# Altium PCB main_io.PcbDoc (part 1 of 3) (continued)
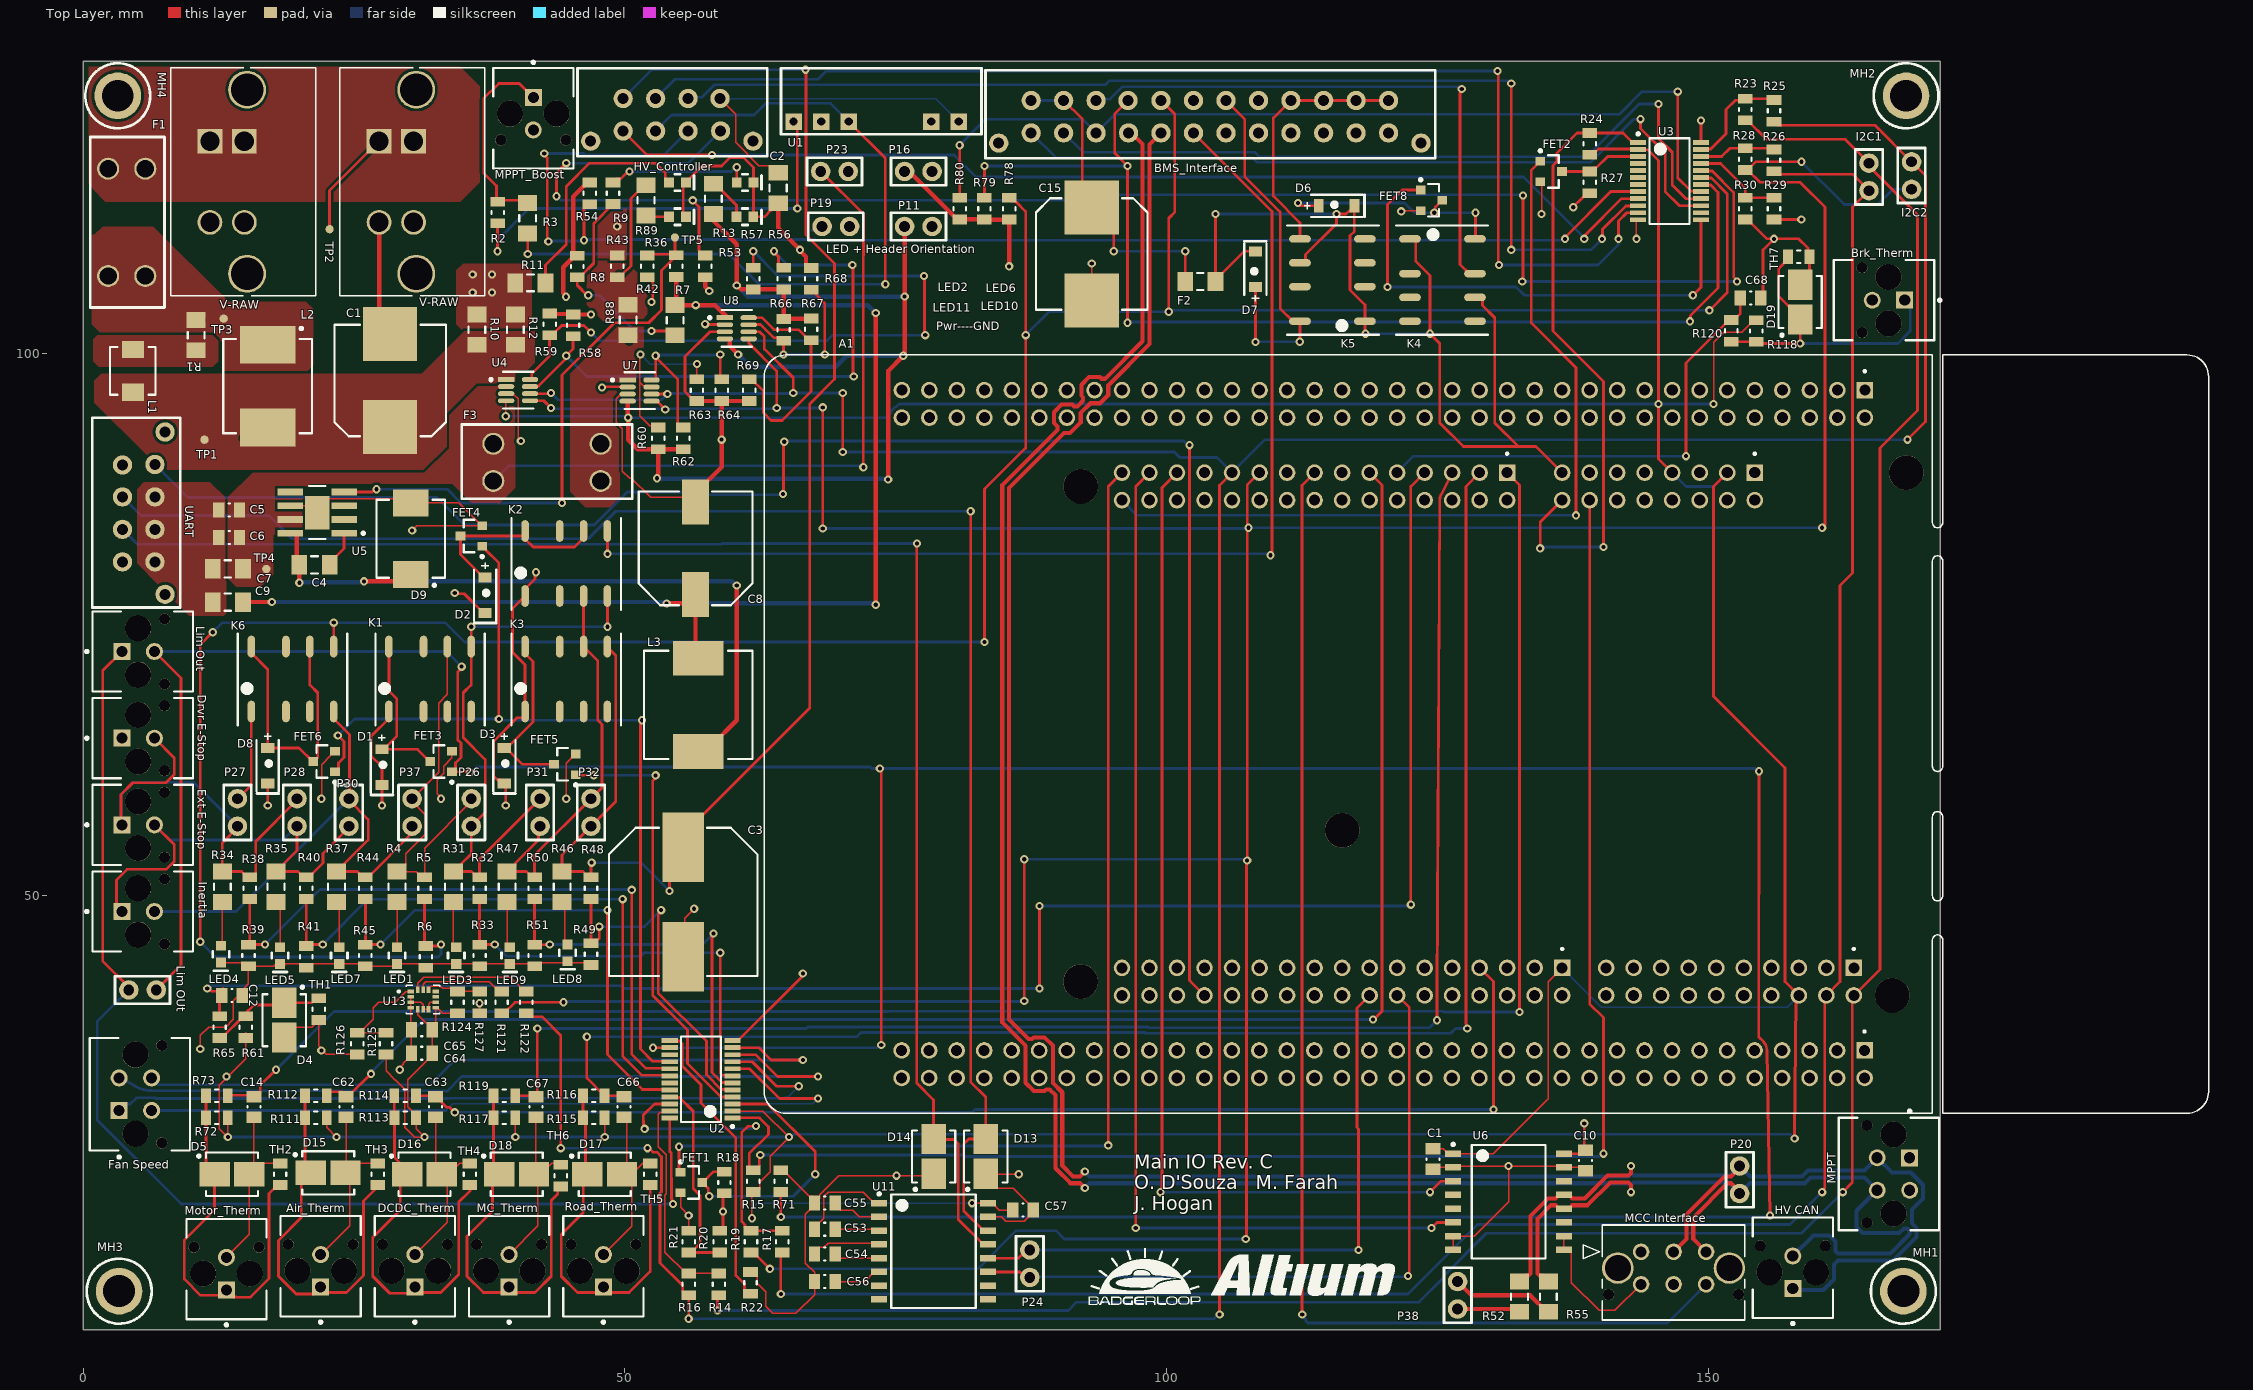
[diagram p0: Top Layer view]
## Part data (continued)
C1 C10 C12 C14 C55 C56 C57 C62 C63 C66 C67 C68: library part VJ0805Y104KXXCW1BC, "CAP CER 0.1UF 25V X7R 0805", Capacitance=100nF, Capacitor Type=Ceramic, Manufacturer=Vishay, Manufacturer Series=VJ, Max Operating Temperature=125°C, Min Operating Temperature=-55°C, Negative Tolerance=10%, Package Shape=Rectangular, Rated DC Voltage (URdc)=25V, Supplier Part Number 1=720-1537-1-ND, Temperature Characteristics Code=X7R, Category="Ceramic Capacitors", ComponentLink1Description=https://datasheet.ciiva.com:443/pdfs/VipMasterIC/IC/BEYS/BEYSS01735/BEYSS01735-1.pdf?src-supplier=IHS+Markit, ComponentLink1URL=https://datasheet.ciiva.com:443/pdfs/VipMasterIC/IC/BEYS/BEYSS01735/BEYSS01735-1.pdf?src-supplier=IHS+Markit, ComponentLink2Description=https://datasheet.ciiva.com/176/vjw1bcbascomseries-176875.pdf?src-supplier=Digi-Key, ComponentLink2URL=https://datasheet.ciiva.com/176/vjw1bcbascomseries-176875.pdf?src-supplier=Digi-Key, ComponentLink3Description=https://datasheet.ciiva.com/11491/vjw1bcbascomseries-11491758.pdf?src-supplier=Avnet, ComponentLink3URL=https://datasheet.ciiva.com/11491/vjw1bcbascomseries-11491758.pdf?src-supplier=Avnet, Dielectric Material=Ceramic, JESD-609 Code=e3, Manufacturer Part Number=VJ0805Y104KXXCW1BC, Mount="Surface Mount", Multilayer=Yes, Number of Pins=2, Packaging="Tape and Reel", Positive Tolerance=10%, Pricing 1="1=0.25000, 10=0.17100, 50=0.11380, 100=0.09680, 500=0.06832, 1000=0.05978 (USD)", REACH SVHC=Yes, RoHS=Yes, RoHS Compliant=Yes, Size Code=0805, Stock 1=38794, Supplier 1=Digi-Key, Terminal Finish=Tin, Termination=Wraparound
C2: library part CMP-001-00249-1, "CAP CER 10UF 25V X7S 1206", Digi-Key Part Number=490-12661-1-ND, Manufacturer="Murata Electronics North America", Operating Temperature="-55°C ~ 125°C", Package / Case="1206 (3216 Metric)", Ratings=AEC-Q200, Temperature Coefficient=X7S, Tolerance=10%, Voltage=25V, @ qty=0, Applications=Automotive, Datasheets=http://www.murata.com/~/media/webrenewal/support/library/catalog/products/capacitor/mlcc/c03e.ashx, Design Item ID=GCM31CC71E106KA03L, Factory Stock=0, Features=-, Height - Seated (Max)=-, Image=//media.digikey.com/Renders/Murata%20Renders/GR331BD72E473KW01L.jpg, Lead Spacing=-, Lead Style=-, Minimum Quantity=1, Mounting Type="Surface Mount, MLCC", Packaging="Cut Tape (CT)", Part Number=GCM31CC71E106KA03L, Part Status=Active, Quantity Available=936, Series=GCM, Size / Dimension="0.126\" L x 0.063\" W (3.20mm x 1.60mm)", Source=capacitors.SchLib, Thickness (Max)="0.075\" (1.90mm)", Unit Price (USD)=0.81
C3: "Aluminum Electrolytic Capacitor, Aluminum (wet)", Capacitor Type=Aluminium, Manufacturer="Wurth Electronics", Supplier Part Number 1=710-865080462016, Category="Aluminum Electrolytic Capacitors", ComponentLink1Description=https://datasheet.ciiva.com:443/pdfs/VipMasterIC/IC/MIDC/MIDC-S-A0000770377/MIDC-S-A0000770375-1.pdf?src-supplier=IHS+Markit, ComponentLink1URL=https://datasheet.ciiva.com:443/pdfs/VipMasterIC/IC/MIDC/MIDC-S-A0000770377/MIDC-S-A0000770375-1.pdf?src-supplier=IHS+Markit, ComponentLink2Description=http://www.farnell.com/datasheets/1880151.pdf?src-supplier=Farnell, ComponentLink2URL=http://www.farnell.com/datasheets/1880151.pdf?src-supplier=Farnell, ComponentLink3Description=http://katalog.we-online.de/pbs/datasheet/865080462016.pdf?src-supplier=Digi-Key, ComponentLink3URL=http://katalog.we-online.de/pbs/datasheet/865080462016.pdf?src-supplier=Digi-Key, ComponentLink4Description=http://www.farnell.com/datasheets/1880151.pdf?src-supplier=Element14, ComponentLink4URL=http://www.farnell.com/datasheets/1880151.pdf?src-supplier=Element14, Dielectric Material=Aluminium, Manufacturer Part Number=865080462016, Number of Pins=2, Pricing 1="1=1.84000, 10=1.84000, 50=1.57000, 100=1.37000, 200=1.21000, 1000=1.21000, 10000=1.21000 (USD)", REACH SVHC=Yes, RoHS=Yes, RoHS Compliant=Yes, Stock 1=408, Supplier 1=Mouser
C4 C7 C9: library part GRM3195C1H103JA01D, "CAP CER 10000PF 50V NP0 1206", Digi-Key Part Number=490-1754-1-ND, Manufacturer="Murata Electronics North America", Operating Temperature="-55°C ~ 125°C", Package / Case="1206 (3216 Metric)", Ratings=-, Temperature Coefficient="C0G, NP0", Tolerance=±5%, Voltage=50V, @ qty=0, Applications="General Purpose", Datasheets=http://www.murata.com/~/media/webrenewal/support/library/catalog/products/capacitor/mlcc/c02e.pdf, Factory Stock=0, Features=-, Height - Seated (Max)=-, Image=//media.digikey.com/Renders/Murata%20Renders/GR331BD72E473KW01L.jpg, Lead Spacing=-, Lead Style=-, Minimum Quantity=1, Mounting Type="Surface Mount, MLCC", Packaging="Cut Tape (CT)", Part Number=GRM3195C1H103JA01D, Part Status=Active, Quantity Available=32411, Series=GRM, Size / Dimension="0.126\" L x 0.063\" W (3.20mm x 1.60mm)", Thickness (Max)="0.037\" (0.95mm)", Unit Price (USD)=0.29
C5 C6: library part GCJ21BR71C475KA01L, "CAP CER 4.7UF 16V X7R 0805", Digi-Key Part Number=490-10557-1-ND, Manufacturer="Murata Electronics North America", Operating Temperature="-55°C ~ 125°C", Package / Case="0805 (2012 Metric)", Ratings=AEC-Q200, Temperature Coefficient=X7R, Tolerance=±10%, Voltage=16V, @ qty=0, Applications="Automotive, Boardflex Sensitive", Datasheets=http://www.murata.com/~/media/webrenewal/support/library/catalog/products/capacitor/mlcc/c03e.ashx, Factory Stock=0, Features="Soft Termination", Height - Seated (Max)=-, Image=//media.digikey.com/Renders/Murata%20Renders/0805%20(2012%20Metric)%20.85mm.jpg, Lead Spacing=-, Lead Style=-, Minimum Quantity=1, Mounting Type="Surface Mount, MLCC", Packaging="Cut Tape (CT)", Part Number=GCJ21BR71C475KA01L, Part Status=Active, Quantity Available=53217, Series=GCJ, Size / Dimension="0.079\" L x 0.049\" W (2.00mm x 1.25mm)", Thickness (Max)="0.057\" (1.45mm)", Unit Price (USD)=0.44
C8: library part CMP-001-00090-1, "Aluminum Organic Polymer Capacitors 25V 330uf", ComponentLink1Description=Link, ComponentLink1URL=https://www.mouser.com/ProductDetail/Nichicon/GYB1E331MCW1GS?qs=sGAEpiMZZMvwFf0viD3Y3a3yb5D6sPUgteTcG6zlWVz7Qxll6G9Nxw%3D%3D, Design Item ID=GYB1E331MCW1GS, Source=capacitors.SchLib
C53 C54: library part GRM219R71C104JA01D, "CAP CER 0.1UF 16V X7R 0805", Digi-Key Part Number=490-12557-1-ND, Manufacturer="Murata Electronics North America", Operating Temperature="-55°C ~ 125°C", Package / Case="0805 (2012 Metric)", Ratings=-, Temperature Coefficient=X7R, Tolerance=±5%, Voltage=16V, @ qty=0, Applications="General Purpose", Datasheets=-, Factory Stock=0, Features=-, Height - Seated (Max)=-, Image=//media.digikey.com/Renders/Murata%20Renders/0805%20(2012%20Metric)%20.85mm.jpg, Lead Spacing=-, Lead Style=-, Minimum Quantity=1, Mounting Type="Surface Mount, MLCC", Packaging="Cut Tape (CT)", Part Number=GRM219R71C104JA01D, Part Status=Active, Quantity Available=6635, Series=GRM, Size / Dimension="0.079\" L x 0.049\" W (2.00mm x 1.25mm)", Thickness (Max)="0.037\" (0.95mm)", Unit Price (USD)=0.12
C64 C65: library part 160R15W104KV4T, "CAP CER 0.1UF 16V X7R 0805", Capacitance=100nF, Capacitor Type=Ceramic, Manufacturer=Johanson, Manufacturer Series=R15, Max Operating Temperature=125°C, Min Operating Temperature=-55°C, Negative Tolerance=10%, Package Shape=Rectangular, Package Style=SMTMeter, Rated DC Voltage (URdc)=16V, Supplier Part Number 1=709-1183-1-ND, Temperature Characteristics Code=X7R, Category="Ceramic Capacitors", ComponentLink1Description=https://datasheet.ciiva.com:443/pdfs/VipMasterIC/IC/JOHA/JOHA-S-A0008490164/JOHA-S-A0008490164-1.pdf?src-supplier=IHS+Markit, ComponentLink1URL=https://datasheet.ciiva.com:443/pdfs/VipMasterIC/IC/JOHA/JOHA-S-A0008490164/JOHA-S-A0008490164-1.pdf?src-supplier=IHS+Markit, ComponentLink2Description=http://www.mouser.com/ds/2/611/JDI-Tanceram-516226.pdf?src-supplier=Mouser, ComponentLink2URL=http://www.mouser.com/ds/2/611/JDI-Tanceram-516226.pdf?src-supplier=Mouser, ComponentLink3Description=https://www.johansondielectrics.com/downloads/jdi-product-catalog.pdf?src-supplier=Digi-Key, ComponentLink3URL=https://www.johansondielectrics.com/downloads/jdi-product-catalog.pdf?src-supplier=Digi-Key, Dielectric Material=Ceramic, Height=1.27mm, JESD-609 Code=e3, Length=2.03mm, Manufacturer Part Number=160R15W104KV4T, Mount="Surface Mount", Multilayer=Yes, Number of Pins=2, Packaging="Tape and Reel", Positive Tolerance=10%, Pricing 1="1=0.23000, 10=0.15700, 50=0.09400, 100=0.07940, 500=0.05434, 1000=0.04807 (USD)", REACH SVHC=Yes, RoHS=Yes, RoHS Compliant=Yes, Series=MLC(SMT), Size Code=0805, Stock 1=2430, Supplier 1=Digi-Key, Terminal Finish=Nickel, Termination=Wraparound, Width=1.27mm
D1 D2 D3 D6 D7 D8: "Rectifier Diode, Schottky, 1 Phase, 1 Element, 0.5A, 20V V(RRM), Silicon", Forward Voltage-Max (VF)=385mV, Manufacturer="ON Semiconductor", Max Operating Temperature=125°C, Max Output Current=500mA, Min Operating Temperature=-65°C, Non-rep Pk Forward Current-Max=5.5A, Package Body Material=Plastic, Package Shape=Rectangular, Package Style="SMALL OUTLINEMeter", Peak Reflow Temperature (Cel)=260°C, Rep Pk Reverse Voltage-Max=20V, Supplier Part Number 1=MBR0520LT1GOSTR-ND, Time @ Peak Reflow Temperature-Max (s)=30s, Additional Feature="FREE WHEELING DIODE", Category="Schottky Diodes", ComponentLink1Description=https://datasheet.ciiva.com:443/pdfs/VipMasterIC/IC/ONSM/ONSMS21417/ONSMS21417-1.pdf?src-supplier=IHS+Markit, ComponentLink1URL=https://datasheet.ciiva.com:443/pdfs/VipMasterIC/IC/ONSM/ONSMS21417/ONSMS21417-1.pdf?src-supplier=IHS+Markit, ComponentLink2Description=https://datasheet.ciiva.com/915/mbr0520lt1-d-915488.pdf?src-supplier=Digi-Key, ComponentLink2URL=https://datasheet.ciiva.com/915/mbr0520lt1-d-915488.pdf?src-supplier=Digi-Key, ComponentLink3Description=https://datasheet.ciiva.com/915/mbr0520lt1-d-915488.pdf?src-supplier=Avnet, ComponentLink3URL=https://datasheet.ciiva.com/915/mbr0520lt1-d-915488.pdf?src-supplier=Avnet, ComponentLink4Description=https://datasheet.ciiva.com/14168/sy600925-e-14168052.pdf?src-supplier=Distrelec, ComponentLink4URL=https://datasheet.ciiva.com/14168/sy600925-e-14168052.pdf?src-supplier=Distrelec, ComponentLink5Description=https://datasheet.ciiva.com/915/mbr0520lt1-d-915489.pdf?src-supplier=Digi-Key, ComponentLink5URL=https://datasheet.ciiva.com/915/mbr0520lt1-d-915489.pdf?src-supplier=Digi-Key, ComponentLink6Description=https://datasheet.ciiva.com/915/mbr0520lt1-d-915490.pdf?src-supplier=Digi-Key, ComponentLink6URL=https://datasheet.ciiva.com/915/mbr0520lt1-d-915490.pdf?src-supplier=Digi-Key, ComponentLink7Description=https://datasheet.ciiva.com/25954/mbr0520lt1-d-25954134.pdf?src-supplier=Avnet+Europe, ComponentLink7URL=https://datasheet.ciiva.com/25954/mbr0520lt1-d-25954134.pdf?src-supplier=Avnet+Europe, ComponentLink8Description=https://datasheet.ciiva.com/16475/mbr0520lt1-d-16475465.pdf?src-supplier=Avnet+Asia, ComponentLink8URL=https://datasheet.ciiva.com/16475/mbr0520lt1-d-16475465.pdf?src-supplier=Avnet+Asia, ComponentLink9Description=https://datasheet.ciiva.com/5762/mbr0520lt1-d-5762889.pdf?src-supplier=Farnell, ComponentLink9URL=https://datasheet.ciiva.com/5762/mbr0520lt1-d-5762889.pdf?src-supplier=Farnell, ComponentLink10Description=https://datasheet.ciiva.com/5762/mbr0520lt1-d-5762891.pdf?src-supplier=Farnell, ComponentLink10URL=https://datasheet.ciiva.com/5762/mbr0520lt1-d-5762891.pdf?src-supplier=Farnell, ComponentLink11Description=https://datasheet.ciiva.com/4714/mbr0520lt1-d-94265-4714156.pdf?src-supplier=Mouser, ComponentLink11URL=https://datasheet.ciiva.com/4714/mbr0520lt1-d-94265-4714156.pdf?src-supplier=Mouser, ComponentLink12Description=https://datasheet.ciiva.com/7961/mbr0520lt1-d-7961765.pdf?src-supplier=Element14, ComponentLink12URL=https://datasheet.ciiva.com/7961/mbr0520lt1-d-7961765.pdf?src-supplier=Element14, ComponentLink13Description=https://datasheet.ciiva.com/7962/mbr0520lt1-d-7962698.pdf?src-supplier=Element14, ComponentLink13URL=https://datasheet.ciiva.com/7962/mbr0520lt1-d-7962698.pdf?src-supplier=Element14, ComponentLink14Description=https://datasheet.ciiva.com/7962/mbr0520lt1-d-7962699.pdf?src-supplier=Element14, ComponentLink14URL=https://datasheet.ciiva.com/7962/mbr0520lt1-d-7962699.pdf?src-supplier=Element14, ComponentLink15Description=https://datasheet.ciiva.com/14559/70099495-14559898.pdf?src-supplier=Allied+Electronics, ComponentLink15URL=https://datasheet.ciiva.com/14559/70099495-14559898.pdf?src-supplier=Allied+Electronics, ComponentLink16Description=https://datasheet.ciiva.com/16395/mbr0520lt1-d-16395977.pdf?src-supplier=Future+Electronics, ComponentLink16URL=https://datasheet.ciiva.com/16395/mbr0520lt1-d-16395977.pdf?src-supplier=Future+Electronics, Diode Element Material=SILICON, Diode Type=RECTIFIER, JESD-30 Code=R-PDSO-G2, JESD-609 Code=e3, Manufacturer Part Number=MBR0520LT1G, Moisture Sensitivity Level=1, Number of Elements=1, Number of Pins=2, Pricing 1="3000=0.06678, 6000=0.06010, 15000=0.05513 (USD)", Qualification Status="Not Qualified", REACH SVHC=Yes, RoHS=Yes, RoHS Compliant=Yes, Stock 1=423812, Supplier 1=Digi-Key, Surface Mount=Yes, Technology=SCHOTTKY, Terminal Finish=Tin, Terminal Form="Gull Wing", Terminal Position=DUAL
D4 D5 D15 D16 D17 D18 D19: "TVS DIODE 15V 24.4V DO214AA", Breakdown Voltage=16.7V, Case/Package=SMB, Clamping Voltage=24.4V, Current=68A, Leakage Current=1uA, Manufacturer=Littelfuse, Max Breakdown Voltage=18.5V, Max Operating Temperature=150°C, Max Power Dissipation=5W, Max Surge Current=24.6A, Min Operating Temperature=-65°C, Operating Supply Voltage=15V, Package Quantity=3000, Peak Pulse Power=600W, Power Line Protection=No, Supplier Part Number 1=SMBJ15ALFCT-ND, Test Current=1mA, Voltage=5V, ComponentLink1Description=https://datasheet.ciiva.com/34301/1078555-34301957.pdf?src-supplier=Jameco, ComponentLink1URL=https://datasheet.ciiva.com/34301/1078555-34301957.pdf?src-supplier=Jameco, ComponentLink2Description=https://datasheet.ciiva.com/25624/0900766b810f4eeb-25624826.pdf?src-supplier=RSComponents, ComponentLink2URL=https://datasheet.ciiva.com/25624/0900766b810f4eeb-25624826.pdf?src-supplier=RSComponents, ComponentLink3Description=https://datasheet.ciiva.com/46385/13057-46385079.pdf?src-supplier=Element14, ComponentLink3URL=https://datasheet.ciiva.com/46385/13057-46385079.pdf?src-supplier=Element14, ComponentLink4Description=https://datasheet.ciiva.com/331/littelfuse-tvs-diode-smbj-datasheet-pdf-331176.pdf?src-supplier=Digi-Key, ComponentLink4URL=https://datasheet.ciiva.com/331/littelfuse-tvs-diode-smbj-datasheet-pdf-331176.pdf?src-supplier=Digi-Key, ComponentLink5Description=https://datasheet.ciiva.com/331/littelfuse-tvs-diode-smbj-datasheet-pdf-331177.pdf?src-supplier=Digi-Key, ComponentLink5URL=https://datasheet.ciiva.com/331/littelfuse-tvs-diode-smbj-datasheet-pdf-331177.pdf?src-supplier=Digi-Key, ComponentLink6Description=https://datasheet.ciiva.com/331/littelfuse-tvs-diode-smbj-datasheet-pdf-331178.pdf?src-supplier=Digi-Key, ComponentLink6URL=https://datasheet.ciiva.com/331/littelfuse-tvs-diode-smbj-datasheet-pdf-331178.pdf?src-supplier=Digi-Key, ComponentLink7Description=https://datasheet.ciiva.com/25624/0900766b810f4eeb-25624712.pdf?src-supplier=RSComponents, ComponentLink7URL=https://datasheet.ciiva.com/25624/0900766b810f4eeb-25624712.pdf?src-supplier=RSComponents, ComponentLink8Description=https://datasheet.ciiva.com/34302/1546929-34302459.pdf?src-supplier=Jameco, ComponentLink8URL=https://datasheet.ciiva.com/34302/1546929-34302459.pdf?src-supplier=Jameco, ComponentLink9Description=https://datasheet.ciiva.com/46381/1677318-46381958.pdf?src-supplier=Element14, ComponentLink9URL=https://datasheet.ciiva.com/46381/1677318-46381958.pdf?src-supplier=Element14, ComponentLink10Description=https://datasheet.ciiva.com/331/littelfuse-tvs-diode-smbj-datasheet-pdf-331131.pdf?src-supplier=Digi-Key, ComponentLink10URL=https://datasheet.ciiva.com/331/littelfuse-tvs-diode-smbj-datasheet-pdf-331131.pdf?src-supplier=Digi-Key, ComponentLink11Description=https://datasheet.ciiva.com/331/littelfuse-tvs-diode-smbj-datasheet-pdf-331132.pdf?src-supplier=Digi-Key, ComponentLink11URL=https://datasheet.ciiva.com/331/littelfuse-tvs-diode-smbj-datasheet-pdf-331132.pdf?src-supplier=Digi-Key, ComponentLink12Description=https://datasheet.ciiva.com/331/littelfuse-tvs-diode-smbj-datasheet-pdf-331133.pdf?src-supplier=Digi-Key, ComponentLink12URL=https://datasheet.ciiva.com/331/littelfuse-tvs-diode-smbj-datasheet-pdf-331133.pdf?src-supplier=Digi-Key, Composition=Zener, Direction=Unidirectional, Element Configuration=Single, ESD Protection=Yes, Height=2.237mm, Lead Free="Lead Free", Length=4.57mm, Manufacturer Part Number=SMBJ15A, Max Reverse Leakage Current=1uA, Min Breakdown Voltage=16.7V, Mount="Surface Mount", Number of Channels=1, Number of Elements=1, Number of Pins=2, Number of Unidirectional Channels=1, Packaging="Tape and Reel", Peak Pulse Current=24.6A, Polarity=Unidirectional, Power Dissipation=600W, Pricing 1="1=0.45000, 10=0.33900, 25=0.30520, 100=0.21090, 250=0.17760, 500=0.14430, 1000=0.11100 (USD)", Pricing 2="1=0.35000, 10=0.28700, 25=0.26240, 100=0.19540, 250=0.17704, 500=0.14652, 1000=0.10989 (USD)", Radiation Hardening=No, REACH SVHC=Unknown, Reverse Breakdown Voltage=16.7V, Reverse Standoff Voltage=15V, RoHS=Yes, Stock 1=73945, Stock 2=69911, Supplier 1=Digi-Key, Supplier 2=Digi-Key, Supplier Part Number 2=SMBJ5.0ALFCT-ND, Termination=SMD/SMT, Voltage Rating (DC)=15V, Width=3.94mm
D9: "Rectifier Diode, Schottky, 1 Phase, 1 Element, 5A, 40V V(RRM), Silicon, DO-214AB", Forward Voltage-Max (VF)=420mV, Manufacturer="Vishay Semiconductors", Max Operating Temperature=150°C, Max Output Current=5A, Min Operating Temperature=-65°C, Non-rep Pk Forward Current-Max=175A, Package Body Material=Plastic, Package Shape=Rectangular, Package Style="SMALL OUTLINEMeter", Peak Reflow Temperature (Cel)=260°C, Rep Pk Reverse Voltage-Max=40V, Supplier Part Number 1=34M8633, Time @ Peak Reflow Temperature-Max (s)=40s, Application(s)=EFFICIENCY, Category="Rectifier Diodes", ComponentLink1Description=https://datasheet.ciiva.com:443/pdfs/VipMasterIC/IC/VISH/VISH-S-A0001810219/VISH-S-A0001810219-1.pdf?src-supplier=IHS+Markit, ComponentLink1URL=https://datasheet.ciiva.com:443/pdfs/VipMasterIC/IC/VISH/VISH-S-A0001810219/VISH-S-A0001810219-1.pdf?src-supplier=IHS+Markit, ComponentLink2Description=https://datasheet.ciiva.com/25932/ssc53l-25932374.pdf?src-supplier=Avnet+Europe, ComponentLink2URL=https://datasheet.ciiva.com/25932/ssc53l-25932374.pdf?src-supplier=Avnet+Europe, ComponentLink3Description=https://datasheet.ciiva.com/13948/ssc53l-13948085.pdf?src-supplier=Digi-Key, ComponentLink3URL=https://datasheet.ciiva.com/13948/ssc53l-13948085.pdf?src-supplier=Digi-Key, ComponentLink4Description=https://datasheet.ciiva.com/13948/ssc53l-13948086.pdf?src-supplier=Digi-Key, ComponentLink4URL=https://datasheet.ciiva.com/13948/ssc53l-13948086.pdf?src-supplier=Digi-Key, ComponentLink5Description=https://datasheet.ciiva.com/16489/ssc53l-16489422.pdf?src-supplier=Future+Electronics, ComponentLink5URL=https://datasheet.ciiva.com/16489/ssc53l-16489422.pdf?src-supplier=Future+Electronics, Diode Element Material=SILICON, Diode Type=RECTIFIER, JEDEC-95 Code=DO-214AB, JESD-30 Code=R-PDSO-C2, JESD-609 Code=e3, Manufacturer Part Number=SSC54-E3/9AT, Moisture Sensitivity Level=1, Number of Elements=1, Number of Phases=1, Number of Pins=2, Pricing 1="1=0.66000, 10=0.53700, 25=0.49700, 50=0.45800, 100=0.41800, 250=0.38600, 500=0.35300 (USD)", Qualification Status="Not Qualified", REACH SVHC="No SVHC", RoHS=Yes, RoHS Compliant=Yes, Stock 1=4149, Supplier 1=Newark, Surface Mount=Yes, Technology=SCHOTTKY, Terminal Finish=Tin, Terminal Form="C BEND", Terminal Position=DUAL
D13 D14: "TVS DIODE 8V 13.6V DO214AA", Breakdown Voltage=8.89V, Case/Package=SMB, Clamping Voltage=13.6V, Leakage Current=100uA, Manufacturer=Littelfuse, Max Breakdown Voltage=9.83V, Max Operating Temperature=150°C, Max Power Dissipation=600W, Max Surge Current=44.2A, Min Operating Temperature=-65°C, Operating Supply Voltage=8V, Package Quantity=3000, Power Line Protection=No, Supplier Part Number 1=SMBJ8.0CALFCT-ND, Test Current=1mA, ComponentLink1Description=http://www.littelfuse.com/~/media/electronics/datasheets/tvs_diodes/littelfuse_tvs_diode_smbj_datasheet.pdf.pdf?src-supplier=Digi-Key, ComponentLink1URL=http://www.littelfuse.com/~/media/electronics/datasheets/tvs_diodes/littelfuse_tvs_diode_smbj_datasheet.pdf.pdf?src-supplier=Digi-Key, ComponentLink2Description=http://www.littelfuse.com/data/en/Data_Sheets/Littelfuse_TVS-Diode_SMBJ.pdf?src-supplier=Element14, ComponentLink2URL=http://www.littelfuse.com/data/en/Data_Sheets/Littelfuse_TVS-Diode_SMBJ.pdf?src-supplier=Element14, Composition=Zener, Direction=Bidirectional, Height=2.44mm, Lead Free="Lead Free", Length=5.59mm, Min Breakdown Voltage=8.89V, Mount="Surface Mount", Number of Bidirectional Channels=1, Number of Channels=1, Number of Elements=1, Number of Pins=2, Packaging="Tape and Reel", Peak Pulse Current=44.2A, Peak Pulse Power=600W, Polarity=Bidirectional, Power Dissipation=600W, Pricing 1="1=0.39, 10=0.313, 25=0.2864, 100=0.1798, 250=0.17784, 500=0.1665, 1000=0.11322 (USD)", REACH SVHC="No SVHC", Reverse Breakdown Voltage=8.89V, Reverse Standoff Voltage=8V, Stock 1=700, Supplier 1=Digi-Key, Termination=SMD/SMT, Voltage Rating (DC)=8V, Width=3.94mm
F1 F3: "FUSE HOLDER MINI AUTO PC", Color=Black, Current Rating=20A, Flammability Rating="UL94 V-0", Manufacturer="Keystone Electronics", Max Operating Temperature=145°C, Min Operating Temperature=-50°C, Package Quantity=1, Supplier Part Number 1=3568K-ND, Voltage=500V, Approvals=UL, Body Material=Nylon, ComponentLink1Description=http://www.keyelco.com/userAssets/file/M60-2p40.pdf?src-supplier=Future+Electronics, ComponentLink1URL=http://www.keyelco.com/userAssets/file/M60-2p40.pdf?src-supplier=Future+Electronics, ComponentLink2Description=https://www.alliedelec.com/m/d/15b4f09b8ba48c4b08efedd730709c21.pdf?src-supplier=Allied+Electronics, ComponentLink2URL=https://www.alliedelec.com/m/d/15b4f09b8ba48c4b08efedd730709c21.pdf?src-supplier=Allied+Electronics, Contact Material=Brass,Tin, Contact Plating=Tin, Depth=6.73mm, Fuse Current=20A, Fuse Type=Automotive, Illumination Type=Illuminated, Lead Free="Lead Free", Length=16mm, Manufacturer Part Number=3568, Material=Brass,Tin,Nylon, Mount=PCB,Vertical, Number of Circuits=1, Number of Poles=1, Orientation=Vertical, REACH SVHC="No SVHC", Stock 1=0, Supplier 1=Digi-Key, Termination="PC Pin", Voltage Rating (AC)=500V
F2: "FUSE BOARD MNT 2A 63VAC/VDC 1206", Case Code (Imperial)=1206, Case Code (Metric)=3216, Current Rating=2A, DC Cold Resistance=32.4mR, Manufacturer=Littelfuse, Manufacturer Part Number=0468002.NR, Max Operating Temperature=90°C, Min Operating Temperature=-55°C, Package Quantity=5000, Power Dissipation=154.5mW, Supplier Part Number 1=F2570DKR-ND, Voltage Rating=63V, Approvals=UL,CSA, Case/Package=1206, ComponentLink1Description=http://www.farnell.com/datasheets/94905.pdf?src-supplier=Farnell, ComponentLink1URL=http://www.farnell.com/datasheets/94905.pdf?src-supplier=Farnell, ComponentLink2Description=http://www.littelfuse.com/~/media/electronics/datasheets/fuses/littelfuse_fuse_468_datasheet.pdf.pdf?src-supplier=Digi-Key, ComponentLink2URL=http://www.littelfuse.com/~/media/electronics/datasheets/fuses/littelfuse_fuse_468_datasheet.pdf.pdf?src-supplier=Digi-Key, ComponentLink3Description=http://www.farnell.com/datasheets/1851811.pdf?src-supplier=Element14, ComponentLink3URL=http://www.farnell.com/datasheets/1851811.pdf?src-supplier=Element14, ComponentLink4Description=http://www.littelfuse.com/~/media/electronics/datasheets/fuses/littelfuse_fuse_468_datasheet.pdf.pdf?src-supplier=Future+Electronics, ComponentLink4URL=http://www.littelfuse.com/~/media/electronics/datasheets/fuses/littelfuse_fuse_468_datasheet.pdf.pdf?src-supplier=Future+Electronics, Composition="Thin Film", Depth=1.52mm, Fuse Current=2A, Fuse Type="Board Mount (Cartridge Style Excluded)", Height=0.58mm, Lead Free="Lead Free", Length=3.18mm, Mount="Surface Mount", Number of Pins=2, Packaging="Tape and Reel", Pricing 1="1=1.2, 5=1.166, 10=1.091, 50=0.9028, 100=0.7524, 250=0.7336, 500=0.62074, 1000=0.54549 (USD)", Radiation Hardening=No, REACH SVHC=Unknown, Resistance=32.4mR, Stock 1=13091, Supplier 1=Digi-Key, Terminal Material=Tin, Termination=SMD/SMT, Voltage Rating (AC)=63V, Voltage Rating (DC)=63V, Width=1.52mm
"Fan Speed" MPPT: library part CMP-008-000055-2, "Rectangular Power Connector, 4 Contact(s), Male, Solder Terminal, Receptacle"
FET1 FET2 FET3 FET4 FET5 FET6 FET8: "MOSFET N-CH 60V 200MA SOT23-3", Manufacturer=Zetex, Manufacturer P/N=ZVN4106FTA, Digikey P/N=ZVN4106FCT-ND
HV_Controller UART: library part CMP-002-00093-1, "CONN HEADER VERT 8POS 3MM", Color=Black, Contact Resistance=10mR, Manufacturer=Molex, Max Operating Temperature=105°C, Min Operating Temperature=-40°C, Package Quantity=1440, Voltage Rating=250V, ComponentLink1Description=http://www.molex.com/pdm_docs/sd/430450827_sd.pdf?src-supplier=Digi-Key, ComponentLink1URL=http://www.molex.com/pdm_docs/sd/430450827_sd.pdf?src-supplier=Digi-Key, Connector Type="Male Pin", Contact Material=Brass, Contact Plating=Tin, Depth=8.77mm, Design Item ID=0430450827, Fastening Type=Ramp, Housing Color=Black, Housing Material=Polymer, Length=16.15mm, Manufacturer Part Number=0430450827, Mount="Through Hole", Number of Contacts=8, Number of Positions=8, Number of Rows=2, Orientation=Straight, Packaging=Tray, Pitch=3mm, Pricing 1="1=1.67, 10=1.519, 25=1.4256, 50=1.3636, 100=1.3016, 250=1.17764, 500=1.08466, 1000=0.9297, 2500=0.86772 (USD)", Row Spacing=0.118inch, Source=connector.SchLib, Stock 1=5300, Termination=Solder
I2C1 I2C2 "Lim OUt" P11 P16 P19 P20 P23 P24 P26 P27 P28 P30 P31 P32 P37 P38: "Header, 2-Pin", LatestRevisionDate=17-Jul-2002, LatestRevisionNote="Re-released for DXP Platform.", Publisher="Altium Limited"
K1 K2 K3 K4 K5 K6: "Electromechanical Relay, DPDT, 140mW (Coil), 5A (Contact), 220VDC (Contact), Random, AC/DC Output", Coil Operate Voltage(DC)=9V, Coil Power=140mW, Coil Release Voltage(DC)=1.2V, Coil Resistance=1.029kR, Coil Voltage-Nom=12V, Contact AC Max Power Rating R Load=62.5VA@250VAC, Contact AC Max Rating R Load=5A@250VAC, Contact Current(AC)-Max=5A, Contact DC Max Power Rating R Load=60W@220VDC, Contact DC Max Rating R Load=5A@220VDC, Contact Resistance=50mR, Contact Voltage(AC)-Max=250V, Contact Voltage(DC)-Max=220V, Dielectric Strength Between Coil and Contacts=1500Vrms, Dielectric Strength Between Open Contacts=750Vrms, Insulation Resistance=1GR, Manufacturer="TE Connectivity", Manufacturer Part Number=IM06DGR, Supplier Part Number 1=PB1174CT-ND, Body Breadth=6inch, Body Height=5.65mm, Body Length or Diameter=10mm, Category="Power Relays", Coil/Input Supply Type=DC, ComponentLink1Description=https://datasheet.ciiva.com:443/pdfs/VipMasterIC/IC/TYEL/TYELS75403/TYELS75403-1.pdf?src-supplier=IHS+Markit, ComponentLink1URL=https://datasheet.ciiva.com:443/pdfs/VipMasterIC/IC/TYEL/TYELS75403/TYELS75403-1.pdf?src-supplier=IHS+Markit, ComponentLink2Description=https://datasheet.ciiva.com/1662/13778-1662593.pdf?src-supplier=Newark, ComponentLink2URL=https://datasheet.ciiva.com/1662/13778-1662593.pdf?src-supplier=Newark, ComponentLink3Description=https://datasheet.ciiva.com/1525/1717896-1525047.pdf?src-supplier=Element14, ComponentLink3URL=https://datasheet.ciiva.com/1525/1717896-1525047.pdf?src-supplier=Element14, ComponentLink4Description=https://datasheet.ciiva.com/1612/1717896-1612285.pdf?src-supplier=Farnell, ComponentLink4URL=https://datasheet.ciiva.com/1612/1717896-1612285.pdf?src-supplier=Farnell, ComponentLink5Description=https://datasheet.ciiva.com/30159/customerdrawing1462037-4a10-30159339.pdf?src-supplier=Onlinecomponents.com, ComponentLink5URL=https://datasheet.ciiva.com/30159/customerdrawing1462037-4a10-30159339.pdf?src-supplier=Onlinecomponents.com, ComponentLink6Description=https://datasheet.ciiva.com/22697/1717896-22697038.pdf?src-supplier=Element14, ComponentLink6URL=https://datasheet.ciiva.com/22697/1717896-22697038.pdf?src-supplier=Element14, Contact Current(DC)-Max=5A, Contact/Output Supply Type=AC/DC, End Contact Material=Silver, End Contact Plating=Gold, Input Switching Control Type=Random, Number of Pins=8, Operate Time=3ms, Packaging="Tape and Reel", Pricing 1="1=5.59000, 10=5.24500, 25=4.66200, 50=4.42880, 100=4.19580, 250=3.72960, 500=3.49650 (USD)", REACH SVHC="No SVHC", Reference Standard=UL, Relay Form="2 FORM C", Relay Function=DPDT, RoHS=No, RoHS Compliant=No, Sealing=HERMETICAL, Stock 1=35148, Supplier 1=Digi-Key, Termination=Solder, Weight=0.75g
L1: "Ind Chip Power Metal Compound 0.1uH 20% 2-Pin SMD T/R", Inductance="100 nH", Manufacturer=Sumida, Saturation Current="8.2 A", Supplier Part Number 1=308-2523-6-ND, ComponentLink1Description=https://products.sumida.com/products/pdf/0410CDMCCDS%20(en).pdf?src-supplier=Digi-Key, ComponentLink1URL=https://products.sumida.com/products/pdf/0410CDMCCDS%20(en).pdf?src-supplier=Digi-Key, Manufacturer Part Number=0410CDMCCDS-R10MC, Pricing 1="1=0.93, 10=0.817, 100=0.5836, 500=0.49024, 1000=0.39687 (USD)", Stock 1=5971, Supplier 1=Digi-Key
L2: "Fixed Inductors 1uH 20% Low Profile", Case/Package=3232, Current Rating=18.2A, DC Resistance (DCR)=4.63mR, Inductance=1uH, Inductance Tolerance=20%, Manufacturer="Vishay Dale", Max Operating Temperature=125°C, Min Operating Temperature=-55°C, Package Quantity=500, Saturation Current=12A, Self Resonant Frequency=49MHz, Supplier Part Number 1=541-1348-1-ND, Test Frequency=100kHz, ComponentLink1Description=https://datasheet.ciiva.com/6692/ihlp-3232dz-11-6692199.pdf?src-supplier=Digi-Key, ComponentLink1URL=https://datasheet.ciiva.com/6692/ihlp-3232dz-11-6692199.pdf?src-supplier=Digi-Key, ComponentLink2Description=https://datasheet.ciiva.com/6692/ihlp-3232dz-11-6692200.pdf?src-supplier=Digi-Key, ComponentLink2URL=https://datasheet.ciiva.com/6692/ihlp-3232dz-11-6692200.pdf?src-supplier=Digi-Key, ComponentLink3Description=https://datasheet.ciiva.com/6692/ihlp-3232dz-11-6692201.pdf?src-supplier=Digi-Key, ComponentLink3URL=https://datasheet.ciiva.com/6692/ihlp-3232dz-11-6692201.pdf?src-supplier=Digi-Key, ComponentLink4Description=https://datasheet.ciiva.com/17113/70231623-17113262.pdf?src-supplier=Allied+Electronics, ComponentLink4URL=https://datasheet.ciiva.com/17113/70231623-17113262.pdf?src-supplier=Allied+Electronics, Core Material=Metal,Composite,Ferrite, Depth=8.94mm, Height=4mm, Height - Seated (Max)=0.157inch, Lead Free="Lead Free", Length=8.64mm, Manufacturer Part Number=IHLP3232DZER1R0M11, Max DC Current=18.2A, Military Standard=Not, Mount="Surface Mount", Number of Pins=2, Packaging="Tape and Reel", Pricing 1="1=1.61000, 10=1.49500, 100=1.08100 (USD)", Radiation Hardening=No, REACH SVHC=Unknown, RMS Current (Irms)=18.2A, RoHS=Yes, Shielding=Shielded, Stock 1=9463, Supplier 1=Digi-Key, Termination=SMD/SMT, Tolerance=20%, Width=0.322inch
L3: "FIXED IND 15UH 3.2A 50 MOHM SMD", Case/Package=Nonstandard, Current Rating=3.2A, DC Resistance (DCR)=50mR, Inductance=15uH, Inductance Tolerance=30%, Manufacturer="Wurth Electronics", Max Operating Temperature=125°C, Min Operating Temperature=-40°C, Package Quantity=800, Saturation Current=3.25A, Self Resonant Frequency=16MHz, Supplier Part Number 1=732-1077-1-ND, Test Frequency=100kHz, ComponentLink1Description=https://datasheet.ciiva.com/1051/744066150-1051985.pdf?src-supplier=Digi-Key, ComponentLink1URL=https://datasheet.ciiva.com/1051/744066150-1051985.pdf?src-supplier=Digi-Key, ComponentLink2Description=https://datasheet.ciiva.com/7892/1735619-7892648.pdf?src-supplier=Element14, ComponentLink2URL=https://datasheet.ciiva.com/7892/1735619-7892648.pdf?src-supplier=Element14, ComponentLink3Description=https://datasheet.ciiva.com/11803/0900766b80febc54-11803273.pdf?src-supplier=RSComponents, ComponentLink3URL=https://datasheet.ciiva.com/11803/0900766b80febc54-11803273.pdf?src-supplier=RSComponents, ComponentLink4Description=https://datasheet.ciiva.com/13320/744066150-67363-13320654.pdf?src-supplier=Mouser, ComponentLink4URL=https://datasheet.ciiva.com/13320/744066150-67363-13320654.pdf?src-supplier=Mouser, ComponentLink5Description=https://datasheet.ciiva.com/1051/744066150-1051986.pdf?src-supplier=Digi-Key, ComponentLink5URL=https://datasheet.ciiva.com/1051/744066150-1051986.pdf?src-supplier=Digi-Key, ComponentLink6Description=https://datasheet.ciiva.com/1051/744066150-1051987.pdf?src-supplier=Digi-Key, ComponentLink6URL=https://datasheet.ciiva.com/1051/744066150-1051987.pdf?src-supplier=Digi-Key, ComponentLink7Description=https://datasheet.ciiva.com/14123/744066150-ch-ger-eng-ds-14123723.pdf?src-supplier=Distrelec, ComponentLink7URL=https://datasheet.ciiva.com/14123/744066150-ch-ger-eng-ds-14123723.pdf?src-supplier=Distrelec, Composition=Wirewound, Core Material=Ferrite, Depth=10mm, Height=3.8mm, Height - Seated (Max)=0.161inch, Lead Free="Lead Free", Length=10mm, Manufacturer Part Number=744066150, Max DC Current=3.2A, Mount="Surface Mount", Packaging="Cut Tape", Pricing 1="1=1.94000, 10=1.88200, 50=1.64600, 100=1.50500 (USD)", REACH SVHC=Unknown, RMS Current (Irms)=3.2A, RoHS=Yes, Series Resistance=50mR, Shielding=Shielded, Stock 1=1755, Supplier 1=Digi-Key, Termination=SMD/SMT, Tolerance=30%, Weight=0.044904oz, Width=10mm
LED1 LED3 LED4 LED5 LED7 LED8 LED9: Color=GREEN, Manufacturer="Lite-On Inc.", Manufacturer P/N=LTST-C190KGKT, Package / Case=0603, Digikey P/N=160-1435-1-ND
LED2 LED6 LED10 LED11: "Red 631nm LED Indication - Discrete 2V 0603 (1608 Metric)", Color=RED, Manufacturer="Lite-On Inc.", Manufacturer P/N=LTST-C190KRKT, Package / Case=0603, Digikey P/N=160-1436-1-ND
"MCC Interface": library part CMP-060-000001-2, "No Description Available", Mfr_Name="Molex Connector Corporation", Design Item ID=430450624, RefDes=RefDes, Source=430450624.SchLib, Type=Type
R1: library part ERJ-8BSJR18V, "RES SMD 0.18 OHM 5% 1/2W 1206", Digi-Key Part Number=P17691CT-ND, Manufacturer="Panasonic Electronic Components", Operating Temperature="-55°C ~ 125°C", Package / Case="1206 (3216 Metric)", Power (Watts)="0.5W, 1/2W", Supplier Device Package=1206, Temperature Coefficient=±250ppm/°C, Tolerance=±5%, @ qty=1500, Composition="Thick Film", Datasheets=https://industrial.panasonic.com/cdbs/www-data/pdf/RDA0000/AOA0000C239.pdf, Factory Stock=0, Failure Rate=-, Features="Automotive AEC-Q200, Current Sense", Height - Seated (Max)="0.028\" (0.70mm)", Image=//media.digikey.com/Renders/Panasonic%20Renders/ERJ-1206%20Pkg.jpg, Minimum Quantity=1, Number of Terminations=2, Packaging="Cut Tape (CT)", Part Number=ERJ-8BSJR18V, Part Status=Active, Quantity Available=4940, Series=ERJ, Size / Dimension="0.126\" L x 0.063\" W (3.20mm x 1.60mm)", Unit Price (USD)=0.07621
R2: library part CMP-009-01751-1, "RES SMD 7.5K OHM 5% 1/8W 0805", Digi-Key Part Number=P7.5KACT-ND, Manufacturer="Panasonic Electronic Components", Operating Temperature="-55°C ~ 155°C", Package / Case="0805 (2012 Metric)", Power (Watts)="0.125W, 1/8W", Supplier Device Package=0805, Temperature Coefficient=±200ppm/°C, Tolerance=5%, @ qty=1500, Composition="Thick Film", Datasheets=http://industrial.panasonic.com/www-cgi/jvcr13pz.cgi?E+PZ+3+AOA0001+ERJ6GEYJ752V+7+WW, Design Item ID=ERJ-6GEYJ752V, Factory Stock=0, Failure Rate=-, Features="Automotive AEC-Q200", Height - Seated (Max)="0.028\" (0.70mm)", Image=//media.digikey.com/Renders/Panasonic%20Renders/ERJ-0805%20Pkg.jpg, Minimum Quantity=1, Number of Terminations=2, Packaging="Cut Tape (CT)", Part Number=ERJ-6GEYJ752V, Part Status=Active, Quantity Available=39543, Series=ERJ, Size / Dimension="0.079\" L x 0.049\" W (2.00mm x 1.25mm)", Source=resistors.SchLib, Unit Price (USD)=0.00496
R3: library part CMP-009-02128-1, "RES SMD 2.8K OHM 1% 1/4W 1206", Digi-Key Part Number=P2.80KFCT-ND, Manufacturer="Panasonic Electronic Components", Operating Temperature="-55°C ~ 155°C", Package / Case="1206 (3216 Metric)", Power (Watts)="0.25W, 1/4W", Supplier Device Package=1206, Temperature Coefficient=±100ppm/°C, Tolerance=1%, @ qty=1500, Composition="Thick Film", Datasheets=http://industrial.panasonic.com/www-cgi/jvcr13pz.cgi?E+PZ+3+AOA0002+ERJ8ENF2801V+7+WW, Design Item ID=ERJ-8ENF2801V, Factory Stock=0, Failure Rate=-, Features="Automotive AEC-Q200", Height - Seated (Max)="0.028\" (0.70mm)", Image=//media.digikey.com/Renders/Panasonic%20Renders/ERJ-1206%20Pkg.jpg, Minimum Quantity=1, Number of Terminations=2, Packaging="Cut Tape (CT)", Part Number=ERJ-8ENF2801V, Part Status=Active, Quantity Available=17018, Series=ERJ, Size / Dimension="0.126\" L x 0.063\" W (3.20mm x 1.60mm)", Source=resistors.SchLib, Unit Price (USD)=0.00933
R4 R11 R31 R34 R35 R37 R46 R47 R89: library part ERJ-8ENF4990V, "RES SMD 499 OHM 1% 1/4W 1206", Digi-Key Part Number=P499FCT-ND, Manufacturer="Panasonic Electronic Components", Operating Temperature="-55°C ~ 155°C", Package / Case="1206 (3216 Metric)", Power (Watts)="0.25W, 1/4W", Supplier Device Package=1206, Temperature Coefficient=±100ppm/°C, Tolerance=±1%, @ qty=1500, Composition="Thick Film", Datasheets=http://industrial.panasonic.com/www-cgi/jvcr13pz.cgi?E+PZ+3+AOA0002+ERJ8ENF4990V+7+WW, Factory Stock=0, Failure Rate=-, Features="Automotive AEC-Q200", Height - Seated (Max)="0.028\" (0.70mm)", Image=//media.digikey.com/Renders/Panasonic%20Renders/ERJ-1206%20Pkg.jpg, Minimum Quantity=1, Number of Terminations=2, Packaging="Cut Tape (CT)", Part Number=ERJ-8ENF4990V, Part Status=Active, Quantity Available=90988, Series=ERJ, Size / Dimension="0.126\" L x 0.063\" W (3.20mm x 1.60mm)", Unit Price (USD)=0.00933